# Altium PCB IPG.PcbDoc (part 5 of 10) (continued)
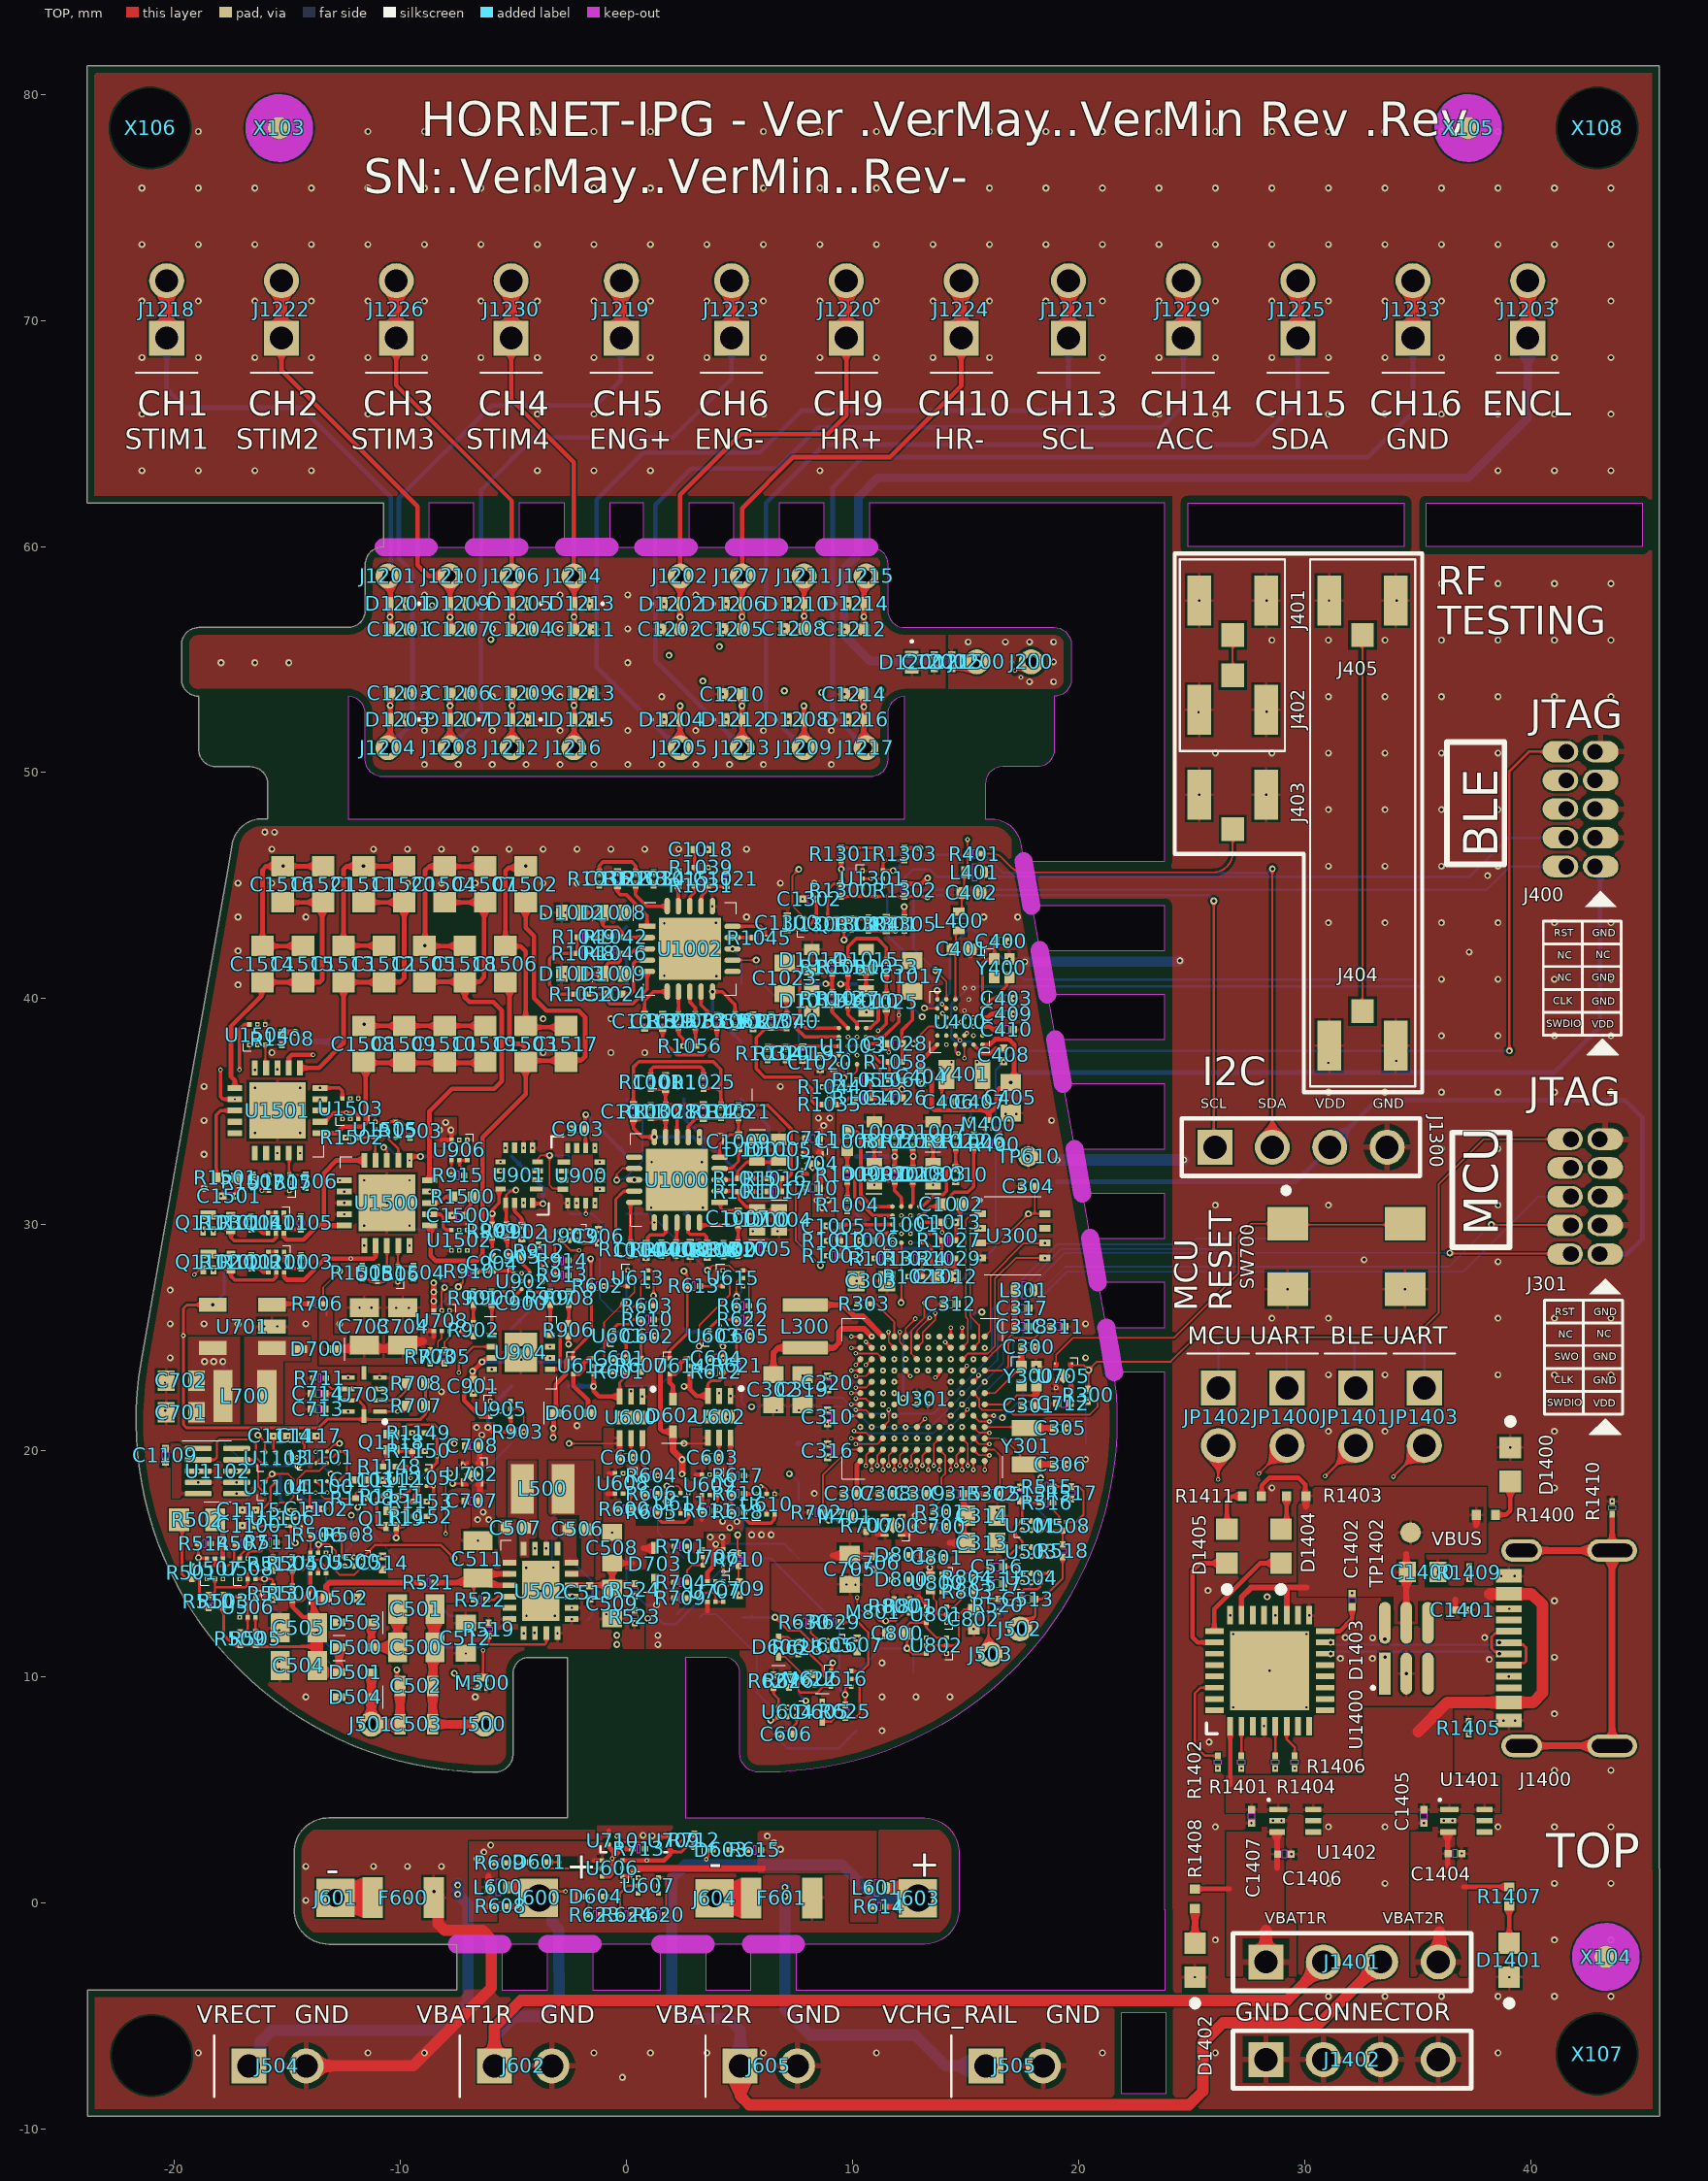
[diagram p0: TOP view]
## Nets (pads, with @x,y where several pads share a name; then routed paths per layer and width w, separated by ;. In a path a pad name is that pad's centre, name@x,y a point inside that pad or via, vN(x,y) a via of type N, cw(c..) or ccw(c..) an arc to the next point about the centre after c; other vN are vias at no path point) (continued)
  DHOR w0.076: v1(0.2,22.631) 0.404,22.836 v2(0.783,22.836) ; v2(0.414,27.661) 5.629,27.661 5.695,27.726 10.864,27.726 11.097,27.494 11.89,27.494 12.079,27.305 v2(12.395,27.305) ; v2@12.128,24.271 12.133,24.271 12.346,24.058 v1@12.352,24.058
CHG1_OVP_ERR: R601.2 TP607.1 U601.A1 U612.5 U613.2 | length 7.6
  TOP w0.076: U612.5@-1.455,23.749 -0.991,23.749 ; R601.2@-0.61,23.495 -0.838,23.495 -0.991,23.647 -0.991,23.749 ; U601.A1@-0.552,24.912 -0.564,24.9 -0.991,24.9 ; U613.2@0.058,27.635 0.229,27.635 0.356,27.508 0.356,27.021 -0.991,25.675 -0.991,24.9 ; -0.991,23.749 -0.991,24.9
  BOT w0.076: v6(-0.118,26.542) -0.118,26.583 0,26.701 TP607.1@0,27.94
CHG1_VCC: C600.1 TP600.1 U600.4 U608.3 | length 3.5
  TOP w0.076: v6(-2.54,20.32) -0.387,20.32 -0.315,20.392 -0.3,20.407 U600.4@-0.3,20.55
  TOP w0.203: -0.774,19 U608.3@-0.503,19 ; C600.1@-0.315,19.7 -0.315,20.392 U600.4@-0.315,20.55
CHG2.EN: R616.1 TP623.1 U301.L7 U609.2 U615.5 | length 23.2
  TOP w0.076: R616.1@4.861,26.408 4.861,27.474 5.014,27.627 U615.5@5.184,27.627 ; U301.L7@12.85,24.55 13.101,24.801 13.101,25.242 13.659,25.8 v1(13.659,26.086)
  DVERT w0.076: v2(3.327,18.948) 3.327,22.714 3.658,23.045 v2(3.658,26.822)
  DHOR w0.076: v2(3.327,18.948) 3.331,18.945 3.679,18.945 v1(3.683,18.941) ; v2(3.658,26.822) v2(3.658,26.822) 4.862,26.823 v6(4.863,26.824) 9.201,26.824 9.761,26.264 13.481,26.264 v1(13.659,26.086)
  BOT w0.076: v6(4.863,26.824) 5.08,27.041 TP623.1@5.08,27.94
CHG2.OVP_ERRn: R616.2 TP626.1 U301.M8 U615.6 | length 16.7
  TOP w0.076: v6(3.581,27.984) 3.797,28.2 4.529,28.2 4.745,27.984 U615.6@5.163,27.984 ; U615.6@5.19,27.983 5.344,27.983 5.421,27.906 R616.2@5.421,26.416 ; U301.M8@12.35,25.05 12.35,25.407 v1(12.785,25.842)
  DHOR w0.076: v1(5.42,26.412) 5.424,26.416 9.178,26.416 9.635,25.959 12.634,25.959 12.751,25.842 v1(12.785,25.842)
  BOT w0.076: TP626.1@0,30.48 1.068,30.48 3.564,27.984 v6(3.581,27.984)
CHG2.STATUS: U301.L8 U602.2 | length 11.5
  TOP w0.076: v1(12.092,25.256) 12.099,25.249 12.099,24.801 U301.L8@12.35,24.55
  DVERT w0.076: v2(4.6,22.861) 4.867,23.128 v2(4.867,25.491)
  DHOR w0.076: v1(4.1,22.552) 4.408,22.861 v2(4.6,22.861) ; v2(4.867,25.491) 4.877,25.502 11.847,25.502 v1(12.092,25.256)
CHG2_OVP_ERR: R612.2 TP627.1 U603.A1 U614.5 U615.2 | length 10.1
  TOP w0.076: U614.5@2.812,23.749 3.226,23.749 ; v6(3.216,24.622) 3.226,24.631 3.226,24.888 ; v6@3.226,24.655 3.226,23.749 ; U603.A1@3.681,24.912 3.251,24.912 3.226,24.888 ; R612.2@3.682,23.495 3.678,23.499 3.382,23.499 3.226,23.655 3.226,23.749 ; 4.363,27.634 4.497,27.634 4.566,27.565 4.566,26.892 3.226,25.552 3.226,24.888
  BOT w0.076: TP627.1@0,22.86 1.455,22.86 v6(3.216,24.622)
CHG2_VCC: C603.1 TP618.1 U602.4 U609.3 | length 1.6
  TOP w0.076: v6(2.54,20.32) U602.4@3.599,20.32 ; U602.4@3.599,20.357 3.599,20.465 3.6,20.466 U602.4@3.6,20.575
  TOP w0.203: 3.062,18.941 U609.3@3.333,18.941
  BOT w0.076: v6(2.54,20.32) TP618.1@2.565,20.345
CHG_RATE1: TP629.1 U301.J6 U610.5 U611.5 | length 30.8
  TOP w0.076: v6(1.785,18.442) 2.259,18.442 2.388,18.313 U611.5@2.388,18.128 ; v1(5.944,18.415) 5.948,18.41 6.092,18.41 6.204,18.298 6.204,18.095 U610.5@6.201,18.092 ; v1(13.35,23.55) U301.J6@13.352,23.55
  DVERT w0.076: 1.766,25.589 1.776,25.207 ; 1.766,25.59 1.715,25.706 1.715,25.769 1.738,25.791 v2(2.261,26.314) ; 1.777,25.206 1.777,25.181 1.827,24.896 1.827,24.675 1.671,24.519 1.416,24.519 1.372,24.474 1.372,18.819 1.748,18.442 v6(1.785,18.442)
  DHOR w0.076: v6(1.785,18.442) 1.799,18.429 5.93,18.429 v1(5.944,18.415) ; v2(2.261,26.314) 5.212,26.314 5.34,26.186 9.192,26.186 9.572,25.806 12.063,25.806 12.751,25.118 12.751,24.149 v1(13.35,23.55)
  BOT w0.076: v6(1.785,18.442) 1.785,18.387 1.38,17.982 1.38,16.4 TP629.1@2.54,15.24
CHG_RATE2: TP630.1 U301.M7 U610.2 U611.2 | length 28.7
  TOP w0.076: v6(1.732,17.752) 2.135,17.752 2.377,17.51 2.377,17.239 U611.2@2.388,17.228 ; v1(5.797,17.767) 6.201,17.363 U610.2@6.201,17.192 ; U301.M7@12.85,25.05 12.85,25.31 v1(13.415,25.875)
  DVERT w0.076: v6(1.732,17.752) 1.755,17.729 2.556,17.729 2.854,18.027 2.854,23.026 2.641,23.239 v2(2.641,26.538)
  DHOR w0.076: v6(1.732,17.752) 5.721,17.752 v1@5.734,17.739 ; v2(2.641,26.538) 5.059,26.538 5.17,26.649 9.16,26.649 9.698,26.111 12.821,26.111 13.057,25.875 v1(13.415,25.875)
  BOT w0.076: v6(1.732,17.752) 1.746,17.766 2.526,17.766 TP630.1@2.54,17.78
COIL_PAD_1: C500.1 C501.1 C502.2 C503.2 J500.1 TP500.1 | length 8.5
  TOP w0.1: J500.1@-6.401,7.925 -6.376,7.9 J500.1@-6.3,7.9
  TOP w0.381: C502.2@-8.575,9.6 -8.575,8.087 -8.611,8.052 -8.575,8.016 C503.2@-8.575,7.9 -6.426,7.9 J500.1@-6.401,7.925 ; C502.2@-8.564,9.611 -8.564,11.211 C500.1@-8.475,11.3 ; C500.1@-8.509,11.3 -8.509,12.984 v6(-8.475,13.018)
  BOT w0.1: v6(-8.475,13.018) -8.154,13.018 -7.836,12.7 TP500.1@-7.62,12.7
COIL_PAD_2: C502.1 C503.1 D501.2 D504.1 J501.1 TP507.1 | length 5.9
  TOP w0.152: v6(-10.16,10.305) -10.16,9.735 C502.1@-10.025,9.6
  TOP w0.381: J501.1@-11.3,7.9 -11.274,7.874 -10.051,7.874 C503.1@-10.025,7.9 C502.1@-10.025,9.6 ; J501.1@-11.292,7.91 D501.2@-11.292,10.042
DAC1_VOUTA: U1102.2 U1103.1 | length 4.5
  TOP w0.102: U1102.2@-18.95,19.6 -18.224,19.6 -18.121,19.703 -18.121,20.379 -18,20.5 -16.6,20.5 -16.4,20.3 -16.4,19.7 -16.2,19.5 -16.16,19.461 -16.011,19.461 U1103.1@-16,19.45
DAC1_VOUTB: U1102.9 U1104.1 | length 2.4
  TOP w0.102: U1102.9@-17.25,19.6 -16.551,19.6 -16.3,19.349 -16.3,18.424 -16.2,18.325 U1104.1@-16.023,18.147
DEBUG_UART_RX: JP1402.1 TP302.1 U301.D11 | length 31.7
  DVERT w0.102: v3(11.151,20.574) 11.153,20.576 11.153,20.953 v2(11.154,20.955)
  AVERT w0.102: v3(11.151,20.574) 11.154,20.578 11.154,21.045 v8(11.158,21.049)
  DHOR w0.102: v1(10.849,21.051) 10.869,21.031 11.075,21.031 11.152,20.955 v2(11.154,20.955)
  AHOR w0.076: v12(26.187,24.816) v12(26.186,29.104)
  AHOR w0.102: v12@10.85,21.05 v8(11.158,21.049)
  BOT w0.076: TP302.1@7.62,22.86 8.128,22.352 9.548,22.352 10.85,21.05 13.445,21.05 16.419,24.025 16.419,26.133 19.217,28.931 20.834,28.931 26.008,28.931 26.181,29.104 v12(26.186,29.104) ; JP1402.1@26.187,22.771 v12(26.187,24.816)
  other v12: 10.849,21.051
DEBUG_UART_TX: JP1400.1 TP303.1 U301.D10 | length 34.4
  TOP w0.076: U301.D10@11.35,21.05 11.601,21.301 v1(11.601,21.814)
  DVERT w0.076: v3(10.515,21.457) 10.521,21.451 10.842,21.451 v2(10.848,21.445)
  AVERT w0.076: v3(10.515,21.457) v8(10.516,22.052)
  DHOR w0.076: v2(10.848,21.445) 11.217,21.814 v1(11.601,21.814)
  AHOR w0.076: v12(10.153,22.052) v8(10.516,22.052) ; v12(29.21,24.841) v12(29.21,29.388)
  BOT w0.076: v12@10.15,22.05 10.156,22.056 10.156,23.084 TP303.1@10.16,23.087 ; v12@10.155,22.05 10.564,21.641 13.595,21.641 16.169,24.216 16.169,26.237 19.066,29.134 24.979,29.134 25.233,29.388 v12(29.21,29.388) ; v12(29.21,24.841) 29.21,22.788 JP1400.1@29.227,22.771
DEFIB_COMMON: D1200.1 D1201.1 D1202.1 D1203.1 D1204.1 D1205.1 D1206.1 D1207.1 D1208.1 D1209.1 D1210.1 D1211.1 D1212.1 D1213.1 D1214.1 D1215.1 D1216.1
  other v1: -9.756,52.343 -7.111,52.343 -4.367,52.343 -1.622,52.343 1.661,52.343 4.41,52.343 7.16,52.343 9.8,52.343 12.622,55.237 -9.756,57.471 -7.111,57.471 -4.367,57.471 -1.622,57.471 1.661,57.468 4.41,57.468 7.16,57.468 9.8,57.47
E1_1: Q1100.4 R1102.2 | length 0.8
  TOP w0.152: R1102.2@-16.595,28.076 -16.266,28.076 -16.093,27.902 Q1100.4@-15.849,27.902
E1_2: Q1100.1 R1103.1 | length 1.3
  TOP w0.152: Q1100.1@-15.149,28.802 -15.149,28.372 -14.849,28.072 R1103.1@-14.399,28.072
E2_1: Q1101.4 R1104.2 | length 0.8
  TOP w0.152: R1104.2@-16.605,29.8 -16.276,29.8 -16.102,29.626 Q1101.4@-15.858,29.626
E2_2: Q1101.1 R1105.1 | length 1.3
  TOP w0.152: Q1101.1@-15.158,30.526 -15.158,30.095 -14.859,29.796 R1105.1@-14.408,29.796
ECG.HR_LOD: TP1009.1 U301.C3 U1001.C1 | length 19.7
  TOP w0.076: U1001.C1@12.567,29.204 U1001.C1@12.59,29.204 ; U301.C3@14.85,20.55 15.1,20.3 15.1,19.343 v1(15.101,19.342)
  DVERT w0.076: v2@12.868,29.206 v8(12.874,29.2) 12.874,28.899 v3@12.879,28.894 ; v2(15.342,26.264) 15.346,26.268 15.346,29.664 v2(15.351,29.669)
  AVERT w0.076: v8(12.874,29.2) 12.877,29.197 12.877,28.897 v3@12.879,28.894
  DHOR w0.076: v12(12.565,29.202) 12.567,29.204 v2@12.866,29.204 ; v2(12.87,29.206) 12.879,29.215 13.013,29.215 13.686,29.888 14.182,29.888 14.413,29.658 v2@15.288,29.658 ; v1(15.101,19.342) 15.555,19.795 15.555,22.612 14.764,23.403 14.764,24.068 15.342,24.646 v2(15.342,26.264)
  AHOR w0.076: v12(12.565,29.202) v8@12.873,29.201
  BOT w0.076: v12(12.565,29.202) 13,29.202 14.278,30.48 TP1009.1@15.24,30.48
  other v1: 12.565,29.202
  other v3: 12.87,28.87
ECG.HR_OUT: C1012.1 R1029.2 TP1010.1 U301.M4 U1001.D1 | length 12.1
  TOP w0.102: U301.M4@14.35,25.05 v1@14.35,25.452
  TOP w0.152: U1001.D1@12.967,29.204 13.267,29.204 13.492,28.978 13.492,28.323 13.646,28.169 14.547,28.169 ; C1012.1@14.522,27.711 v6(14.534,27.724) 14.547,27.736 14.547,28.169 ; R1029.2@14.547,28.504 14.547,28.169 ; C1012.1@14.617,27.754 C1012.1@14.667,27.704
  DVERT w0.102: v2(14.599,25.216) v3@14.599,25.584
  AVERT w0.102: v6(14.534,27.724) 14.569,27.689 14.569,25.8 14.569,25.584 v3(14.594,25.559)
  DHOR w0.102: v1@14.35,25.446 v1(14.35,25.449) 14.357,25.449 14.59,25.216 v2(14.599,25.216)
  BOT w0.152: TP1010.1@10.16,30.48 11.692,28.948 13.31,28.948 v6(14.534,27.724)
ECG.HR_SDNn: TP1001.1 U301.D6 U1001.B1 | length 17.7
  TOP w0.076: v6(12.149,26.548) 12.167,26.566 U1001.B1@12.167,29.204
  DVERT w0.076: v2(13.715,21.045) 13.715,21.03 13.917,20.828 15.265,20.828 16.6,22.163 16.807,22.37 v2(16.807,26.827)
  DHOR w0.076: v6(12.149,26.548) 12.36,26.759 12.967,26.759 16.705,26.759 16.773,26.827 v2(16.807,26.827) ; v1(13.35,21.057) 13.358,21.051 13.709,21.051 v2(13.715,21.045)
  BOT w0.076: v6(12.149,26.548) 12.141,26.556 12.141,27.381 TP1001.1@12.7,27.94
ECG.RLD: TP1005.1 U301.B6 U1001.C2 U1003.C2 | length 33
  TOP w0.076: U1003.C2@10.16,37.5 v1(10.2,37.5) ; v1(13.092,19.344) 13.099,19.351 13.099,19.799 U301.B6@13.35,20.05 U301.B6@13.352,20.05 ; U1001.C2@12.567,29.604 12.595,29.604 U1001.C2@12.567,29.604
  DVERT w0.076: v2(8.6,20.066) 8.6,21.005 8.973,21.377 v2(8.973,27.965) ; v2(12.957,35.75) 12.975,35.732 12.975,32.547 12.605,32.177 12.605,30.202 v3(12.87,29.938) v2(12.87,29.602) 12.87,29.591 13.136,29.324 13.136,27.973 v2(13.156,27.954)
  DVERT w0.102: v2@12.868,29.602 v8(12.874,29.607) v3@12.874,29.908
  AVERT w0.102: v8(12.874,29.607) 12.877,29.61 12.877,29.911 v3@12.879,29.914
  DHOR w0.076: v2(8.6,20.066) 8.612,20.077 9.571,20.077 9.716,19.932 12.504,19.932 v1(13.092,19.344) ; v2(8.973,27.965) 8.978,27.96 13.15,27.96 v2(13.156,27.954) ; v1(10.2,37.5) 10.2,36.924 10.156,36.88 9.908,36.631 9.908,36.269 10.484,35.693 12.865,35.693 12.923,35.75 v2(12.957,35.75)
  DHOR w0.102: v12(12.565,29.606) 12.567,29.604 12.866,29.604 v2@12.868,29.602
  AHOR w0.102: v12(12.565,29.606) v8(12.874,29.607)
  BOT w0.076: v12(12.565,29.606) 12.7,29.741 TP1005.1@12.7,30.48
  other v1: 12.565,29.606
ECG.RR_LOD: TP1008.1 U301.A10 U1003.C1 | length 27.4
  TOP w0.076: v6(9.649,36.034) 9.661,36.034 9.844,36.216 9.898,36.216 9.952,36.271 9.952,36.564 10.2,36.812 U1003.C1@10.2,37.1 ; v1(11.35,19.151) U301.A10@11.35,19.55
  DVERT w0.076: v2(7.459,18.707) 7.531,18.863 7.651,23.524 8.128,24.001 8.128,30.73 7.816,31.043 7.816,32.113 8.041,32.339 8.041,35.273 8.022,35.292 v2(7.998,35.316)
  DHOR w0.076: v2(7.459,18.707) 7.493,18.707 7.544,18.656 11.02,18.656 11.35,18.986 v1(11.35,19.151) ; v2(7.998,35.316) 9.226,35.316 9.639,35.729 9.639,36.023 v6(9.649,36.034)
  BOT w0.076: TP1008.1@7.62,35.56 8.134,36.074 9.609,36.074 v6(9.649,36.034)
ECG.RR_OUT: C1026.1 R1060.2 TP1012.1 U301.L4 U1003.D1 | length 18.8
  TOP w0.102: v1(14.102,24.805) 14.102,24.801 14.35,24.553 U301.L4@14.35,24.55
  TOP w0.152: U1003.D1@10.6,37.1 10.975,37.1 11.21,36.865 11.21,36.164 11.371,36.003 v6(12.18,36.003) ; R1060.2@12.18,36.4 v6(12.18,36.003) ; C1026.1@12.2,35.6 12.18,35.62 v6(12.18,36.003)
  DVERT w0.102: v2(14.102,25.216) v3(14.102,25.559)
  AVERT w0.102: v8(13.891,36.01) 13.886,36.005 13.886,30.842 14.106,30.622 14.106,25.8 14.106,25.563 v3(14.102,25.559)
  DHOR w0.102: v1(14.102,24.805) v2@14.102,25.216
  AHOR w0.102: v6(12.18,36.003) 12.184,36.006 13.887,36.006 v8(13.891,36.01)
  BOT w0.152: TP1012.1@10.16,35.56 11.737,35.56 v6(12.18,36.003)
ECG.RR_SDNn: TP1004.1 U301.B10 U1003.B1 | length 25.6
  TOP w0.076: v6(9.623,36.498) 9.623,36.522 9.8,36.698 9.8,36.88 U1003.B1@9.8,37.1 ; v1(11.092,19.344) 11.099,19.351 11.099,19.799 U301.B10@11.35,20.05
  DVERT w0.076: v2(7.798,18.872) 7.803,18.878 7.803,23.461 8.28,23.938 8.28,30.827 7.968,31.14 7.968,32.05 8.194,32.276 8.194,35.043 9.623,36.472 v6(9.623,36.498)
  DHOR w0.076: v2(7.798,18.872) 7.814,18.856 10.885,18.856 10.953,18.923 11.092,19.062 v1(11.092,19.344)
  BOT w0.076: v6(9.623,36.498) 9.623,36.88 9.623,37.563 TP1004.1@10.16,38.1
ECG_HR+: C1202.2 D1202.2 J1202.1 J1220.1 J1220.2 R1012.1 R1020.1 TP1016.1 | length 58.6
  TOP w0.2: C1202.2@2.371,56.338 v9(2.371,56.888) J1202.1@2.371,58.697 2.371,62.29 5.055,64.973 8.89,64.973 9.728,65.811 J1220.1@9.728,69.222 ; R1012.1@11.867,32.529 v6(11.867,33.02) R1020.1@11.867,33.389
  TOP w0.5: J1220.1@9.728,69.222 J1220.2@9.728,71.762
  GND 2 w0.2: v9(2.371,56.888) 2.371,55.757 ccw(c3.022,55.757) 3.022,55.106 11.971,55.106 cw(c11.971,53.377) 13.7,53.377 13.7,45.697 v3(13.692,45.689)
  AVERT w0.2: v6(11.867,33.02) 11.396,33.491 11.396,39.813 13.692,42.11 v3(13.692,45.689)
  BOT w0.2: TP1016.1@10.16,33.02 v6(11.867,33.02)
ECG_HR-: C1205.2 D1206.2 J1207.1 J1224.1 J1224.2 R1018.1 R1019.1 TP1017.1 | length 55.6
  TOP w0.2: C1205.2@5.114,56.341 v9(5.114,56.891) J1207.1@5.114,58.697 5.114,61.691 7.38,63.957 11.664,63.957 14.808,67.101 J1224.1@14.808,69.222 ; R1018.1@12.667,32.529 R1019.1@12.667,33.379
  TOP w0.5: J1224.1@14.808,69.222 J1224.2@14.808,71.762
  GND 2 w0.2: v9(5.114,56.891) 5.114,55.923 ccw(c5.536,55.923) 5.536,55.501 7.1,55.501 7.579,55.506 cw(c7.581,55.315) 7.581,55.506 11.971,55.506 cw(c11.971,53.377) 14.1,53.377 14.1,46.527 v3(14.114,46.513)
  AVERT w0.2: v6(12.685,33.02) 12.685,35.494 14.661,37.47 14.661,37.668 14.661,42.078 14.114,42.625 v3(14.114,46.513)
ECG_HR_HPDRIVE: C1008.1 U1001.A5 | length 4.9
  TOP w0.152: C1008.1@9.767,34.104 10.219,34.104 10.367,33.956 10.367,31.304 10.867,30.804 U1001.A5@11.767,30.804
ECG_HR_HPSENSE: C1008.2 R1009.2 U1001.A4 | length 4.3
  TOP w0.152: R1009.2@9.767,32.484 9.815,32.434 10.006,32.434 10.095,32.345 10.095,31.215 10.906,30.404 11.467,30.404 U1001.A4@11.767,30.404 ; R1009.2@9.767,32.529 C1008.2@9.767,33.304
ECG_HR_IN+: D1002.2 D1006.1 R1012.2 U1001.B5 | length 3.6
  TOP w0.152: D1006.1@10.967,33.654 10.967,32.654 11.14,32.48 11.411,32.48 11.5,32.391 11.5,32.013 11.59,31.924 R1012.2@11.747,31.924 ; R1012.2@11.867,31.924 11.867,31.504 12.167,31.204 U1001.B5@12.167,30.804 U1001.B5@12.167,30.784
ECG_HR_IN-: D1003.2 D1007.1 R1018.2 U1001.C5 | length 3.4
  TOP w0.152: U1001.C5@12.567,30.804 12.567,30.818 12.667,30.918 R1018.2@12.667,31.924 ; R1018.2@12.667,31.93 12.715,31.979 12.914,31.979 13.294,32.358 13.294,32.53 13.417,32.654 13.567,32.654 D1003.2@13.567,32.704 D1007.1@13.567,33.59
ECG_HR_IOUT: R1004.1 R1023.1 U1001.B4 | length 9.2
  DVERT w0.152: v3(9.464,30.272) v2(9.464,30.603) ; v2(12.79,27.702) v3(12.79,28.033)
  AVERT w0.152: v3(9.464,30.272) 9.464,30.242 9.594,30.111 v8(9.594,28.523) ; v3(12.79,28.033) v8(12.79,28.504)
  DHOR w0.152: v2(9.464,30.603) 9.467,30.601 v1@9.767,30.601 ; v1(9.769,30.599) v1@9.767,30.601 ; v1(12.167,30.404) 9.964,30.404 v1@9.767,30.601 ; v1(12.485,27.706) 12.487,27.704 12.786,27.704 v2(12.79,27.702)
  AHOR w0.152: v8(9.594,28.523) 9.604,28.513 12.78,28.513 v8(12.79,28.504)
ECG_HR_OPAMP+: C1013.2 R1024.2 U1001.D3 | length 3.4
  TOP w0.152: U1001.D3@12.967,30.004 12.98,30.004 13.08,30.104 13.267,30.104 C1013.2@13.937,30.104 ; C1013.2@13.967,30.104 13.968,30.102 13.968,29.661 v1(13.97,29.66)
  DHOR w0.152: v1(12.487,28.504) 12.835,28.504 13.96,29.629 13.96,29.65 v1(13.97,29.66)
ECG_HR_OPAMP-: R1027.2 R1029.1 U1001.D2 | length 2.7
  TOP w0.152: U1001.D2@12.967,29.604 13.667,29.604 13.797,29.474 ; R1027.2@13.942,29.304 R1029.1@13.942,28.529 ; 13.797,29.474 R1027.2@13.954,29.316 ; 13.797,29.474 R1027.2@13.954,29.316 ; 13.797,29.474 R1027.2@13.954,29.316 ; 13.797,29.474 R1027.2@13.954,29.316 ; R1029.1@13.942,28.529 R1029.1@13.967,28.504 ; R1029.1@13.942,28.529 R1029.1@13.967,28.504 ; R1029.1@13.942,28.529 R1029.1@13.967,28.504
ECG_HR_REFIN: C1005.2 R1003.2 R1010.1 U1001.A3 | length 3.6
  TOP w0.152: R1003.2@9.449,28.626 9.469,28.646 C1005.2@9.469,29.947 9.527,30.004 U1001.A3@11.767,30.004
ECG_HR_REFOUT: C1002.1 C1013.1 R1027.1 U1001.C3 | length 3.8
  TOP w0.152: R1027.1@14.567,29.304 R1027.1@14.597,29.334 ; R1027.1@14.579,29.316 R1027.1@14.597,29.334 ; C1002.1@14.767,30.904 14.767,30.277 14.677,30.188 14.65,30.188 14.597,30.134 14.597,30.104 R1027.1@14.597,29.334
  DHOR w0.152: v1(12.567,30.004) 12.58,30.004 12.68,30.104 13.267,30.104 v1(14.567,30.104)
ECG_HR_RLD: C1010.1 R1022.2 U1001.D5 | length 3.7
  TOP w0.152: U1001.D5@12.967,30.804 12.976,30.814 13.11,30.814 13.267,30.97 13.62,31.324 14,31.324 14.153,31.476 14.153,32.336 14.286,32.469 14.483,32.469 14.567,32.553 14.567,32.604 R1022.2@14.567,33.379
ECG_HR_RLDFB: C1010.2 U1001.C4 | length 3.5
  DVERT w0.152: v2(12.872,30.4) v3(12.872,30.731) ; v3(14.262,31.562) v2(14.262,31.893)
  AVERT w0.152: v3(12.872,30.731) 12.875,30.734 12.875,31.071 v8(12.878,31.074) ; v8(14.262,31.09) v3(14.262,31.562)
  DHOR w0.152: v1(12.567,30.404) 12.569,30.402 12.868,30.402 v2@12.87,30.4 ; v2(14.262,31.893) 14.265,31.891 14.565,31.891 v1(14.567,31.889)
  AHOR w0.152: v8(12.878,31.074) 12.886,31.082 14.254,31.082 v8(14.262,31.09)
ECG_HR_SW: C1002.2 R1006.1 U1001.D4 | length 4.6
  TOP w0.152: U1001.D4@12.967,30.404 12.976,30.414 13.078,30.414 13.267,30.602 13.468,30.804 13.867,30.804 13.967,30.904 13.967,30.944 14.11,31.088 14.15,31.088 14.497,31.434 15.097,31.434 15.367,31.704 R1006.1@15.367,33.379
ECG_RR+: C1208.2 D1210.2 J1211.1 R1043.1 R1051.1 TP1019.1 | length 30.9
  TOP w0.152: v6(8.813,40.652) 8.816,40.65 9.05,40.65 ; R1043.1@9.1,40.325 R1051.1@9.1,41.075
  TOP w0.19: C1208.2@7.857,56.363 7.857,56.368 J1211.1@7.857,58.697
  POWER w0.2: v9@7.851,56.912 7.851,56.792 7.851,55.274 ccw(c8.219,55.274) 8.219,54.906 11.971,54.906 cw(c11.971,53.377) 13.5,53.377 13.5,53.373 13.5,51.143 13.5,47.957 13.5,46.656 13.141,46.297 12.547,46.297 11.879,46.965 v7(9.093,46.965)
  AVERT w0.2: v6(8.813,40.652) 8.813,43.669 9.093,43.948 v7(9.093,46.965)
  BOT w0.152: TP1019.1@7.62,40.64 7.626,40.646 8.807,40.646 v6(8.813,40.652)
  other v9: 7.857,56.918
ECG_RR-: C1212.2 D1214.2 J1215.1 R1047.1 R1050.1 TP1021.1 | length 26.2
  TOP w0.152: v6(9.474,40.64) 9.503,40.669 9.531,40.641 9.782,40.641 ; R1047.1@9.8,40.325 R1050.1@9.8,41.12
  TOP w0.2: C1212.2@10.502,56.349 D1214.2@10.502,57.472 10.502,58.599 cw(c10.6,58.599) J1215.1@10.6,58.697
  POWER w0.2: 10.502,56.349 10.502,55.573 ccw(c10.77,55.573) 10.77,55.305 11.153,55.305 11.692,55.305 ; 10.502,56.361 v9@10.502,56.911 ; 11.694,55.306 11.692,55.305 ; v7(12.976,45.78) 13.005,45.78 13.057,45.832 13.067,45.832 13.9,46.665 13.9,47.957 13.9,50.743 13.9,53.373 13.9,53.377 ccw(c11.973,53.377) 11.973,55.305 11.692,55.305
  AVERT w0.2: v8(11.786,40.64) 12.929,41.783 12.929,42.521 12.93,42.522 12.93,42.794 12.929,42.795 v7@12.929,45.787 ; v7@12.956,45.76 v7(12.976,45.78)
  AHOR w0.191: v6(9.474,40.64) v8(11.786,40.64)
  BOT w0.152: v6(9.474,40.64) TP1021.1@10.16,40.64
  other v9: 10.502,56.899
ECG_RR_HPDRIVE: C1023.1 U1003.A5 | length 4.9
  TOP w0.152: C1023.1@7,41.625 7.313,41.312 7.581,41.312 7.67,41.223 7.67,38.968 7.938,38.7 9.145,38.7 U1003.A5@9.4,38.7
ECG_RR_HPSENSE: C1023.2 R1040.1 U1003.A4 | length 3.8
  TOP w0.152: C1023.2@7,40.225 7.087,40.138 R1040.1@7.087,39.356 ; R1040.1@7.087,39.269 7.087,39.265 7.135,39.216 7.339,39.216 7.429,39.127 7.429,38.774 7.903,38.3 9.145,38.3 U1003.A4@9.4,38.3
ECG_RR_IN+: D1011.2 D1014.1 R1043.2 U1003.B5 | length 3.5
  TOP w0.152: D1014.1@8.2,41.28 D1011.2@8.2,40.35 8.358,40.192 8.661,40.192 8.75,40.103 8.75,39.837 8.839,39.748 9.072,39.748 R1043.2@9.1,39.72 9.1,39.4 U1003.B5@9.79,38.71
ECG_RR_IN-: D1010.2 D1015.1 R1047.2 U1003.C5 | length 3.2
  TOP w0.152: R1047.2@9.8,39.675 9.8,39.3 10.18,38.92 10.2,38.9 U1003.C5@10.2,38.7 ; R1047.2@9.8,39.72 9.832,39.752 10.057,39.752 10.146,39.841 10.146,39.995 D1010.2@10.326,40.175 ; D1010.2@10.326,40.176 10.5,40.35 D1010.2@10.6,40.35 D1015.1@10.6,41.28
ECG_RR_IOUT: R1035.2 R1054.1 U1003.B4 | length 4.8
  TOP w0.152: v1(8.966,35.712) 8.976,35.703 9.109,35.703 9.231,35.581 9.231,35.34 9.252,35.319 9.559,35.319 9.84,35.6 R1054.1@10.175,35.6
  DHOR w0.152: v1(8.966,35.712) 8.966,36.407 8.845,36.528 8.845,37.609 9.529,38.293 9.794,38.293 v1(9.804,38.303)
ECG_RR_OPAMP+: C1028.2 R1055.2 U1003.D3 | length 3.3
  TOP w0.152: U1003.D3@10.6,37.9 10.614,37.9 10.714,38 C1028.2@11.6,38 v1(11.6,37.617)
  DHOR w0.152: v1(10.22,36.4) 10.23,36.41 10.392,36.41 v1(11.6,37.617)
ECG_RR_OPAMP-: R1058.2 R1060.1 U1003.D2 | length 1.9
  TOP w0.152: U1003.D2@10.6,37.5 10.855,37.5 10.912,37.5 11.212,37.2 R1058.2@11.62,37.2 R1060.1@11.62,36.4
ECG_RR_REFIN: C1019.2 R1032.2 R1041.1 U1003.A3 | length 3.2
  TOP w0.152: R1032.2@6.239,37.9 7.027,37.9 7.8,37.9 U1003.A3@9.4,37.9
ECG_RR_REFOUT: C1017.2 C1028.1 R1058.1 U1003.C3 | length 5.3
  TOP w0.152: R1058.1@12.18,37.2 12.2,37.22 C1028.1@12.2,38 ; v1(12.19,38) 12.19,38.598 12.649,39.057 C1017.2@12.649,40.321
  DHOR w0.152: v1(10.2,37.9) 10.214,37.9 10.314,38 10.855,38 v1@12.177,38
ECG_RR_RLD: C1025.1 R1053.2 U1003.D5 | length 3
  TOP w0.152: U1003.D5@10.6,38.7 10.8,38.7 10.855,38.755 11.14,39.04 11.14,39.994 11.262,40.116 11.465,40.116 C1025.1@11.5,40.151 ; C1025.1@11.5,40.166 R1053.2@11.5,41.12
ECG_RR_RLDFB: C1025.2 U1003.C4 | length 2.2
  TOP w0.152: U1003.C4@10.2,38.3 10.18,38.3 10.183,38.303 v1(10.2,38.303) ; v1(11.125,38.583) 11.135,38.592 11.197,38.592 11.5,38.895 C1025.2@11.5,39.551
  DHOR w0.152: v1(10.2,38.303) 10.479,38.583 10.855,38.583 v1(11.125,38.583)
ECG_RR_SW: C1017.1 R1037.1 U1003.D4 | length 11.8
  TOP w0.152: U1003.D4@10.6,38.3 11.364,38.3 12.047,38.982 12.047,41.269 12.149,41.372 12.275,41.372 12.42,41.516 C1017.1@12.42,41.651
  DVERT w0.152: v2(6.705,39.259) v3(6.705,39.694) ; v2(11.746,39.275) v3(11.746,39.606)
  AVERT w0.152: v8(6.699,39.277) 6.699,39.299 6.7,39.301 6.7,39.689 v3(6.705,39.694) ; v8(11.746,39.269) 11.746,39.273 11.748,39.276 11.746,39.278 v3(11.746,39.606)
  DHOR w0.152: v1(6.396,39.28) 6.406,39.27 6.68,39.27 6.691,39.259 v2(6.705,39.259) ; v2@11.747,39.275 11.749,39.277 12.049,39.277 v1(12.051,39.279)
  AHOR w0.152: v8(6.699,39.277) 6.702,39.273 11.742,39.273 v8(11.746,39.269)
ENCL: C1200.2 C1201.1 C1202.1 C1203.1 C1204.1 C1205.1 C1206.1 C1207.1 C1208.1 C1209.1 C1210.1 C1211.1 C1212.1 C1213.1 C1214.1 C1215.2 C1502.2 C1503.2 C1506.2 C1517.1 D1200.2 J1200.1 J1203.1 J1203.2 | length 94.8
  TOP w0.2: C1215.2@14.393,54.608 15.505,54.608 J1200.1@15.505,54.897
  TOP w0.203: v6(-4.463,45.86) -4.526,45.796 -5.207,45.796 -5.358,45.645 C1506.2@-5.358,42.329 -5.345,42.316 -4.699,42.316 -4.463,42.08 C1503.2@-4.463,38.798 -4.4,38.735 -2.735,38.735 C1517.1@-2.672,38.798
  TOP w0.5: J1203.1@39.878,69.222 J1203.2@39.878,71.762
  DVERT w0.381: 14.828,54.22 15.441,54.833 J1200.1@15.505,54.897
  GND 2 w0.381: v3(14.579,46.967) 14.579,54.009 J1200.1@15.147,54.577
  AVERT w0.381: v8(14.554,46.203) 14.579,46.228 v3(14.579,46.967)
  DHOR w0.102: v1(-9.615,53.503) -9.613,53.505 -9.313,53.505 v2@-9.311,53.507 ; v1(-9.615,56.333) -9.613,56.335 -9.313,56.335 v2@-9.311,56.337 ; v1(-6.965,53.503) -6.963,53.505 -6.664,53.505 v2@-6.662,53.507 ; v1(-6.965,56.333) -6.963,56.335 -6.664,56.335 v2@-6.662,56.337 ; v1(-4.225,53.503) -4.223,53.505 -3.924,53.505 v2@-3.922,53.507 ; v1(-4.225,56.333) -4.223,56.335 -3.924,56.335 v2@-3.922,56.337 ; v1(-1.486,53.503) -1.484,53.505 -1.184,53.505 v2(-1.181,53.507) ; v1(-1.486,56.333) -1.484,56.335 -1.184,56.335 v2(-1.181,56.337) ; v1(1.503,56.335) 1.506,56.338 1.851,56.338 v2(1.854,56.34) ; v1(4.258,53.465) 4.259,53.467 4.559,53.467 v2(4.563,53.469) ; v1(4.258,56.344) 4.259,56.346 4.559,56.346 v2(4.563,56.348) ; v1(6.992,56.361) 6.994,56.363 7.294,56.363 v2@7.296,56.365 ; v1(9.64,53.465) 9.642,53.467 9.942,53.467 v2(9.945,53.469) ; v1(9.64,56.335) 9.642,56.337 9.942,56.337 v2(9.945,56.339)
  AHOR w0.381: v6(-4.463,45.86) -4.12,46.203 v8(14.554,46.203)
  BOT w0.381: J1200.1@15.505,54.897 15.462,54.94 10.77,54.94 9.624,56.086 9.624,59.034 10.262,59.672 10.262,62.191 11.115,63.045 37.238,63.045 39.878,65.684 J1203.1@39.878,69.222
  other v2: -9.31,53.507 -6.66,53.507 -3.92,53.507 -9.31,56.337 -6.66,56.337 -3.92,56.337 7.297,56.365
  other v9: -8.941,50.362 -7.441,50.362 -5.941,50.362 -4.441,50.362 -2.941,50.362 -1.441,50.362 0.059,50.362 1.559,50.362 3.059,50.362 4.559,50.362 6.059,50.362 9.059,50.362 -8.941,51.862 -5.941,51.862 -2.941,51.862 0.059,51.862 3.059,51.862 6.059,51.862 9.059,51.862 -8.941,53.362 -5.941,53.362 -2.941,53.362 1.559,53.362 -17.941,54.862 -16.441,54.862 -14.941,54.862 0.059,54.862 -5.941,56.362 -2.941,56.362 0.059,56.362 3.059,56.362 -8.941,57.862 -5.941,57.862 -2.941,57.862 0.059,57.862 3.059,57.862
ENCL_STIM_OR_SINK: C1502.1 C1503.1 C1506.1 C1517.2 U1500.11 | length 28.7
  TOP w0.203: U1500.11@-8.715,29.963 -8.69,29.963 -8.661,29.934 -8.661,28.626 -8.433,28.397 -6.636,28.397 -6.37,28.663 -6.37,33.864 -4.463,35.771 C1503.1@-4.463,37.198 -4.382,37.279 -4.498,37.395 -4.498,37.834 -4.662,37.998 -4.956,37.998 -5.178,38.22 -5.178,40.549 C1506.1@-5.358,40.729 ; C1502.1@-4.463,44.26 -4.463,43.147 -4.089,42.774 -4.089,40.03 -3.531,39.472 -2.108,39.472 -1.829,39.192 -1.829,37.44 -1.986,37.282 -2.588,37.282 C1517.2@-2.672,37.198 -2.736,37.262 C1503.1@-4.318,37.262
ENG1+: C1203.2 D1203.2 J1204.1 J1219.1 J1219.2 R1011.1 R1017.1 TP1014.1 | length 82.6
  TOP w0.152: R1011.1@5.618,31.454 R1017.1@6.127,31.454
  TOP w0.2: J1204.1@-10.552,51.057 ccw(c-10.552,51.155) -10.453,51.155 -10.453,52.282 C1203.2@-10.453,53.515
  TOP w0.5: J1219.1@-0.241,69.209 J1219.2@-0.241,71.749
  POWER w0.2: -13.3,52.864 -13.3,47.488 -12.954,47.142 v18(-11.786,47.142) ; -13.3,52.865 cw(c-11.716,52.865) -13.216,53.373 cw(c-11.716,52.865) -11.716,54.449 -10.721,54.449 cw(c-10.721,54.181) -10.453,54.181 -10.453,53.515 v9(-10.453,52.965)
  AVERT w0.2: v18(-11.786,47.142) -11.786,46.584 -11.236,46.034 -11.236,34.045 -11.624,33.657 -11.624,31 v8(-11.461,30.837)
  AHOR w0.2: v8(-11.461,30.837) -7.861,30.837 -7.858,30.834 -4.347,30.834 -3.645,31.537 1.108,31.537 1.191,31.454 v6(5.884,31.454)
  BOT w0.152: TP1014.1@5.08,35.56 6.292,34.348 6.292,31.791 6.135,31.634 6.104,31.634 5.925,31.454 v6(5.884,31.454)
  BOT w0.2: J1204.1@-10.558,51.097 -9.474,52.181 -9.474,58.877 -10.075,59.478 -10.075,59.977 -10.075,62.137 -5.969,66.243 -1.372,66.243 -0.254,67.361 -0.254,69.197 J1219.1@-0.229,69.222
ENG1-: C1206.2 D1207.2 J1208.1 J1223.1 J1223.2 R1015.1 R1016.1 TP1015.1 | length 87
  TOP w0.152: R1015.1@5.521,32.047 v6(5.9,32.047) ; v6(5.9,32.047) R1016.1@6.267,32.046
  TOP w0.19: J1208.1@-7.809,51.057 -7.809,51.097 C1206.2@-7.809,53.391
  TOP w0.5: J1223.1@4.648,69.222 J1223.2@4.648,71.762
  POWER w0.2: v18(-12.217,46.811) -13.171,46.811 -13.7,47.339 -13.7,52.856 cw(c-11.707,52.856) -11.707,54.849 -8.173,54.849 cw(c-8.173,54.483) -7.807,54.483 v9(-7.807,52.957)
  AVERT w0.2: v8(-12.448,32.442) -12.448,33.215 -12.447,33.217 -12.447,39.798 -12.217,40.027 v18(-12.217,46.811)
  AHOR w0.2: v8(-12.448,32.442) -8.825,32.442 -8.579,32.688 -1.404,32.688 -1.21,32.494 5.453,32.494 v6(5.9,32.047)
  BOT w0.152: TP1015.1@2.54,35.56 2.54,34.708 5.201,32.047 v6(5.9,32.047)
  BOT w0.19: J1208.1@-7.815,51.097 -6.426,52.486 -6.426,62.509 -4.115,64.821 2.057,64.821 4.648,67.412 J1223.1@4.648,69.222